# KiCad board RASBB.kicad_pcb (continued)
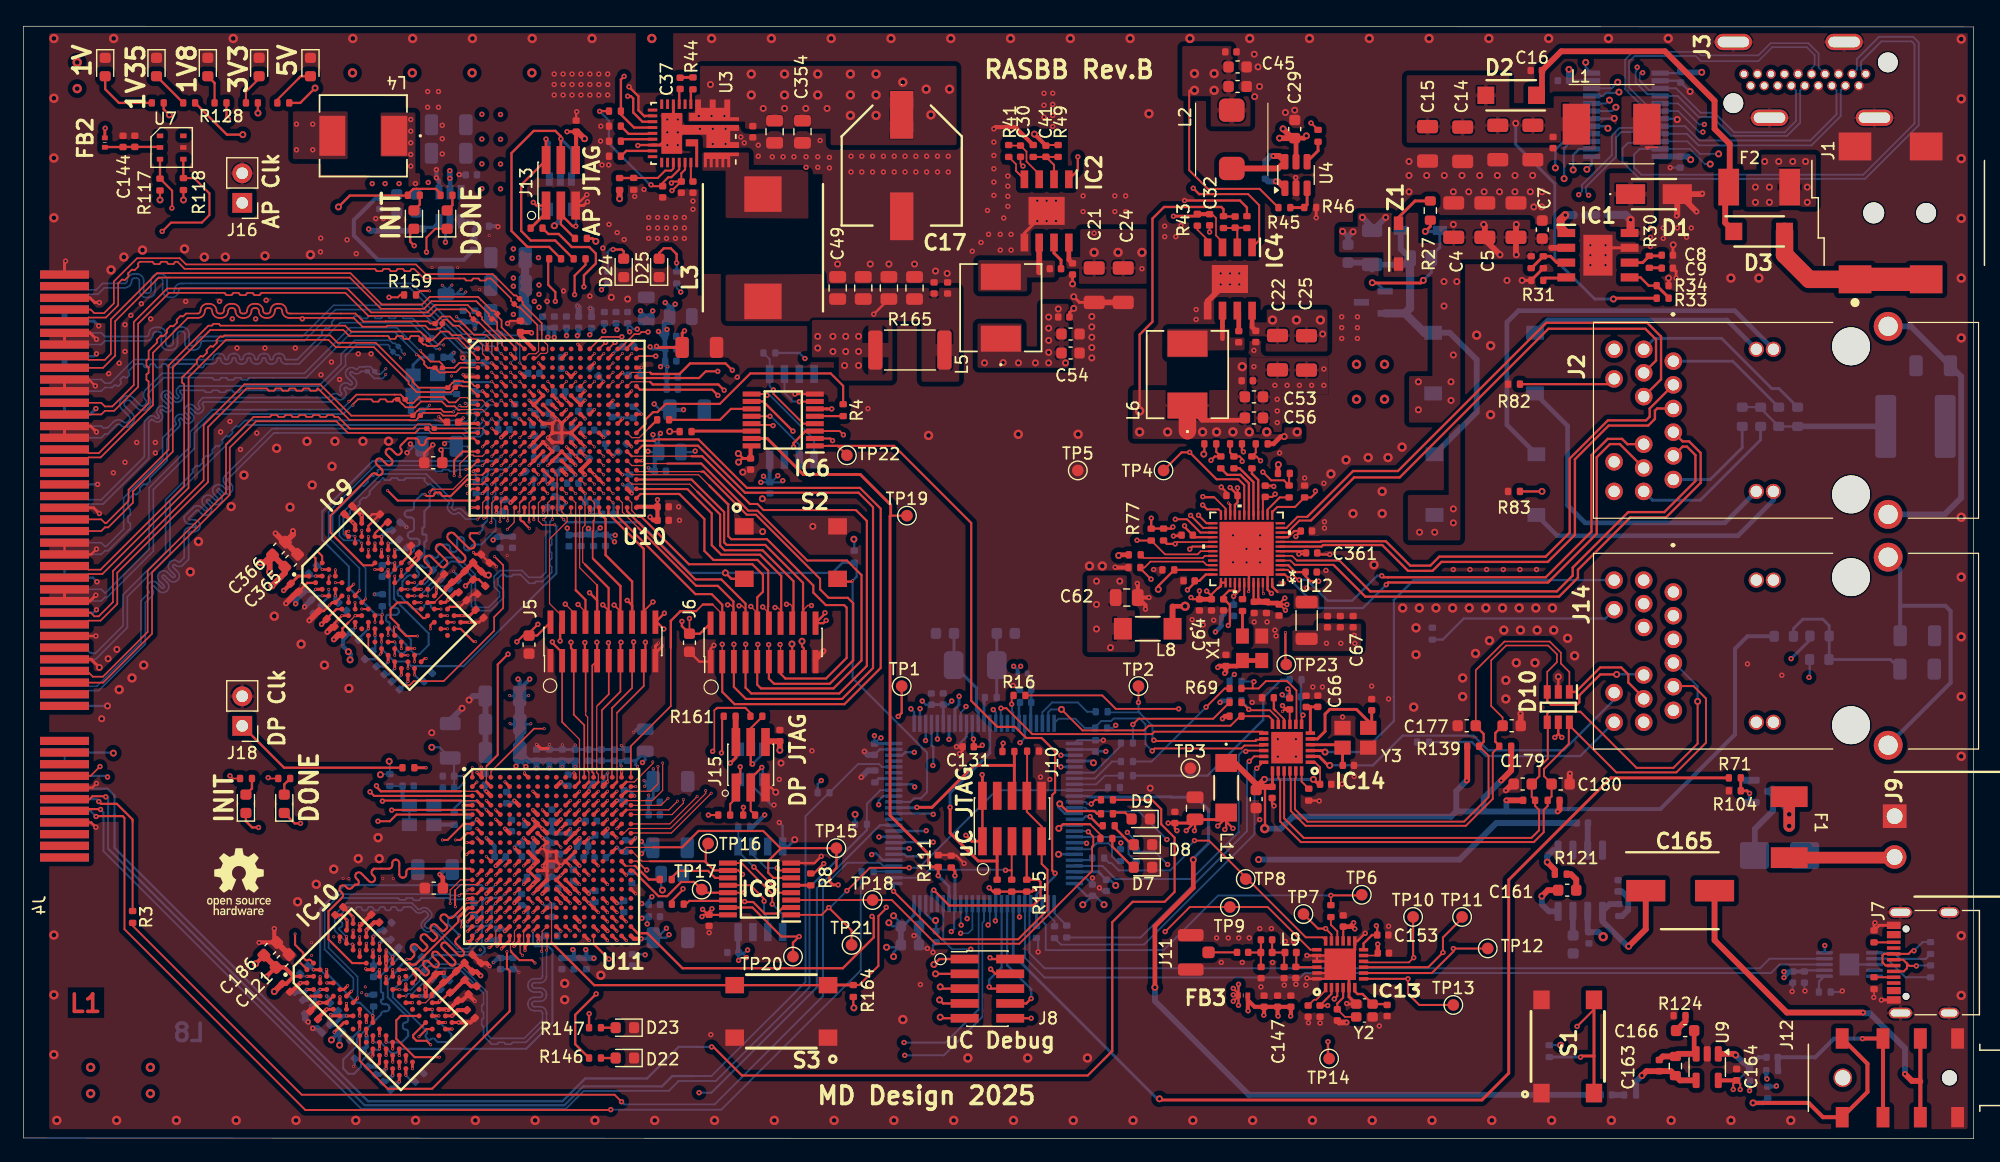
[diagram p0: board, top side]
## Placement (name value [footprint] x y rotation side) (continued)
D17  A-SP192DGHC-C01-4T  [LED_0603_1608Metric]  7.02 91.92 270 top
D18  A-SP192DGHC-C01-4T  [LED_0603_1608Metric]  11.42 91.92 270 top
D19  A-SP192DGHC-C01-4T  [LED_0603_1608Metric]  15.82 91.92 270 top
D20  A-SP192DGHC-C01-4T  [LED_0603_1608Metric]  20.22 91.92 270 top
D21  A-SP192DGHC-C01-4T  [LED_0603_1608Metric]  24.62 91.92 270 top
D22  A-SP192DGHC-C01-4T  [LED_0603_1608Metric]  51.58 6.92 180 top
D23  A-SP192GS1D-C01-4T  [LED_0603_1608Metric]  51.58 9.52 180 top
D24  A-SP192GS1D-C01-4T  [LED_0603_1608Metric]  51.48 74.69 90 top
D25  A-SP192DGHC-C01-4T  [LED_0603_1608Metric]  54.52 74.69 90 top
F1  Polyfuse 1.5A  [BSMD1812]  151.42 26.72 270 top
F2  Polyfuse 2A  [BSMD1812]  148.84 81.62 0 top
FB1  BLM15BD601SH1D  [NFZ15SG152SN10B]  85.68 39.91 0 bottom
FB2  BLM15BD601SH1D  [NFZ15SG152SN10B]  6.99 85.44 270 top
FB3  BLM15BD601SH1D  [NFZ15SG152SN10B]  104.6 12.29 0 top
IC1  RT6365GSP  [SOIC127P600X175-9N]  135.02 75.78 0 top
IC2  TPS56528DDAR  [SOIC127P600X170-9N]  87.75 79.58 270 top
IC3  TPS563201DDCR  [SOT95P280X110-6N]  36.59 79.93 270 bottom
IC4  TPS56528DDAR  [SOIC127P600X170-9N]  103.46 73.74 270 top
IC5  S25FL128LAGMFI010  [SOIC127P800X216-8N]  65.9 61.92 270 bottom
IC6  TS3A5018DBQR  [SOP64P600X175-16N]  65.16 61.65 180 top
IC7  S25FL128LAGMFI010  [SOIC127P800X216-8N]  63.2 21.39 270 bottom
IC8  TS3A5018DBQR  [SOP64P600X175-16N]  63.13 21.42 180 top
IC9  MT41K256M16TW-107_P  [BGA96C80P9X16_800X1400X120]  31 46.28 45 top
IC10  MT41K256M16TW-107_P  [BGA96C80P9X16_800X1400X120]  30.26 11.95 45 top
IC11  TPD12S016PWR  [SOP65P640X120-24N]  137.42 87.82 0 bottom
IC12  STM32H743VGT6  [QFP50P1600X1600X160-100N]  82.38 27.89 270 bottom
IC13  SX1280IMLTRT  [QFN50P400X400X100-25N-D]  112.92 14.96 90 top
IC14  LAN8742AI-CZ-TR  [QFN50P400X400X100-25N-D]  108.36 33.54 180 top
J1  PJ-002AH-SMT-TR  [CUI_PJ-002AH-SMT-TR]  157.07 73.71 180 top
J2  HR911196AE  [JK00229NL]  141.48 66.69 90 top
J3  -  [HDMI-001A]  157.98 91.32 90 top
J4  X3157WS-98-9TV30  [SAMTEC_PCIE-098-02-X-D-EMS3]  0.03 49.12 90 bottom
J5  Conn_02x10_Odd_Even  [PinHeader_2x10_P1.00mm_Vertical_SMD]  49.7 42.65 90 top
J6  Conn_02x10_Odd_Even  [PinHeader_2x10_P1.00mm_Vertical_SMD]  63.43 42.57 90 top
J7  USB_C_Receptacle  [USB_C_Receptacle_Palconn_UTC16-G]  162.89 15.1 90 top
J8  ZX-PZ1.27-2-5PWZ  [PinHeader_2x05_P1.27mm_Vertical_SMD]  82.67 12.87 0 top
J9  KF2EDGR-3.5-2P  [SHDRRA2W80P0X350_1X2_1050X920X750P]  160.46 27.66 270 top
J10  ZX-PZ1.27-2-5PWZ  [PinHeader_2x05_P1.27mm_Vertical_SMD]  84.78 27.46 90 top
J11  Conn_Coaxial  [U.FL_Hirose_U.FL-R-SMT-1_Vertical]  100.58 15.98 180 top
J12  AudioJack4  [FC68128]  153.06 8.09 270 top
J13  Conn_01x06_Socket  [PinHeader_2x03_P1.27mm_Vertical_SMD]  46.09 81.99 90 top
J14  HR911196AE  [JK00229NL]  141.48 46.89 90 top
J15  Conn_01x06_Socket  [PinHeader_2x03_P1.27mm_Vertical_SMD]  62.37 32.07 90 top
J16  Conn_01x02_Pin  [PinHeader_1x02_P2.54mm_Vertical]  18.77 80.27 180 top  (not fitted)
J18  Conn_01x02_Pin  [PinHeader_1x02_P2.54mm_Vertical]  18.77 35.41 180 top  (not fitted)
L1  10uH  [0630CDMCDDS-100MC]  136.19 87.02 180 top
L2  15uH  [SMDRS6028-150N]  103.62 85.72 90 top
L3  360nH  [INDPM109103X400N]  63.42 76.42 270 top
L4  2.2uH  [IND_IHLP-2525CZ_VIS]  29.15 86.02 180 top
L5  2.2uH  [IND_IHLP-2525CZ_VIS]  83.82 71.27 90 top
L6  2.2uH  [IND_IHLP-2525CZ_VIS]  99.82 65.54 90 top
L7  2.2uH  [L_1206_3216Metric]  110.04 44.45 90 top
L8  BLM41PG102SN1L  [IND_BLM41_1806_MUR-M]  96.41 43.74 180 top
L9  3nH  [L_0402_1005Metric]  108.67 15.97 180 top
L10  2.5nH  [L_0402_1005Metric]  106.6 15.97 180 top
L11  BLM41PG102SN1L  [IND_BLM41_1806_MUR-M]  103.14 30.1 270 top
Q1  DMN6075S  [SOT-23]  149.09 29.8 0 bottom
R1  49.9  [R_0402_1005Metric]  56.79 60.65 0 top
R2  49.9  [R_0402_1005Metric]  54.86 61.66 0 top
R3  49.9  [R_0402_1005Metric]  9.37 19.02 270 top
R4  49.9  [R_0402_1005Metric]  70.3 62.49 270 top
R5  4K7  [R_0402_1005Metric]  33.48 80.92 0 top
R6  49.9  [R_0402_1005Metric]  56.12 20.12 180 top
R7  49.9  [R_0402_1005Metric]  55.09 22.23 180 top
R8  49.9  [R_0402_1005Metric]  67.52 22.24 90 top
R9  4.7K  [R_0402_1005Metric]  68.62 29.67 180 bottom
R10  4.7K  [R_0402_1005Metric]  71.82 26.97 180 bottom
R11  49.9  [R_0402_1005Metric]  72.39 22.91 0 bottom
R12  49.9  [R_0402_1005Metric]  92.92 29.07 180 top
R13  49.9  [R_0402_1005Metric]  95.42 24.27 270 bottom
R14  49.9  [R_0402_1005Metric]  94.07 24.32 270 bottom
R15  49.9  [R_0402_1005Metric]  92.17 24.07 0 bottom
R16  49.9  [R_0402_1005Metric]  85.42 38.02 0 top
R17  22  [R_0402_1005Metric]  88.42 17.71 90 bottom
R18  22  [R_0402_1005Metric]  92.46 36.62 180 bottom
R19  22  [R_0402_1005Metric]  89.47 17.77 90 bottom
R20  22  [R_0402_1005Metric]  94.63 33.94 180 bottom
R21  100  [R_0402_1005Metric]  137.78 3.75 0 bottom
R22  49.9  [R_0402_1005Metric]  112.12 19.52 270 top
R23  22  [R_0402_1005Metric]  94.63 32.35 180 bottom
R24  22  [R_0402_1005Metric]  94.63 31.14 180 bottom
R25  24.9K  [R_1206_3216Metric]  115.66 76.44 90 bottom
R26  249K  [R_0805_2012Metric]  119.82 75.51 0 bottom
R27  51K  [R_0603_1608Metric]  120.65 79.61 90 top
R28  590K  [R_0402_1005Metric]  129.29 75.18 270 top
R29  18K  [R_0402_1005Metric]  130.34 75.18 90 top
R30  18K  [R_0402_1005Metric]  139.43 75.21 90 top
R31  120K  [R_0402_1005Metric]  129.82 73.62 0 top
R32  3.3  [R_0402_1005Metric]  135.41 79.24 180 bottom
R33  180K  [R_0402_1005Metric]  140.57 72.09 0 top
R34  12K  [R_0402_1005Metric]  140.57 73.17 0 top
R35  100K  [R_0402_1005Metric]  50.73 88.14 0 top
R36  100K  [R_0402_1005Metric]  51.13 81.89 270 top
R37  100K  [R_0402_1005Metric]  52.34 81.9 90 top
R38  5.49K  [R_0402_1005Metric]  50.73 84.27 0 top
R39  2.32K  [R_0402_1005Metric]  50.73 85.56 0 top
R40  3.48K  [R_0402_1005Metric]  50.73 86.85 0 top
R41  100K  [R_0402_1005Metric]  84.5 84.72 270 top
R42  100K  [R_0402_1005Metric]  111.02 86.02 270 top
R43  100K  [R_0402_1005Metric]  100.67 78.82 270 top
R44  3.3  [R_0402_1005Metric]  57.42 90.52 90 top
R45  11K  [R_0402_1005Metric]  108.13 79.86 180 top
R46  2.1K  [R_0402_1005Metric]  110.35 79.87 180 top
R47  7.68k  [R_0402_1005Metric]  38.62 76.74 90 bottom
R48  10K  [R_0402_1005Metric]  39.4 78.27 0 bottom
R49  100K  [R_0402_1005Metric]  88.73 84.72 270 top
R50  49.9K  [R_0402_1005Metric]  86.59 84.72 270 top
R51  226K  [R_0402_1005Metric]  102.91 78.62 90 top
R52  49.9K  [R_0402_1005Metric]  104.92 78.62 270 top
R53  4K7  [R_0402_1005Metric]  63.97 67.4 180 bottom
R54  4K7  [R_0402_1005Metric]  36.28 80.92 0 top
R55  4K7  [R_0402_1005Metric]  61.82 26.72 180 bottom
R56  4K7  [R_0402_1005Metric]  22.37 30.89 0 top
R57  4.7K  [R_0402_1005Metric]  108.09 57.06 180 top
R58  4.7K  [R_0402_1005Metric]  106.19 59.6 0 top
R59  4.7K  [R_0402_1005Metric]  95.3 50.08 0 top
R60  4.7K  [R_0402_1005Metric]  109.87 55.51 270 top
R61  4.7K  [R_0402_1005Metric]  103.98 59.6 0 top
R62  4.7K  [R_0402_1005Metric]  101.78 59.6 180 top
R63  100  [R_0402_1005Metric]  108.54 55.51 270 top
R64  100  [R_0402_1005Metric]  105.35 58.01 270 top
R65  100  [R_0402_1005Metric]  103.81 58.01 270 top
R66  100  [R_0402_1005Metric]  102.68 58.01 270 top
R67  10K  [R_0402_1005Metric]  149.58 3.96 90 bottom
R68  100  [R_0402_1005Metric]  109.09 39.37 0 bottom
R69  100  [R_0402_1005Metric]  103.94 38.62 0 top
R70  100  [R_0402_1005Metric]  103.94 37.42 180 top
R71  100  [R_0402_1005Metric]  146.75 30.95 0 top
R72  49.9  [R_0402_1005Metric]  31.43 30.76 90 bottom
R73  49.9  [R_0402_1005Metric]  104.54 45.77 270 top
R74  4.7K  [R_0402_1005Metric]  95.27 48.99 0 top
R75  1K  [R_0402_1005Metric]  92.42 35.22 180 bottom
R76  4.7K  [R_0402_1005Metric]  98.18 48.79 0 top
R77  1.5K  [R_0402_1005Metric]  96.72 51.81 270 top
R78  75  [R_0603_1608Metric]  148.97 61.92 270 bottom
R79  75  [R_0603_1608Metric]  147.39 61.92 270 bottom
R80  75  [R_0603_1608Metric]  150.52 61.92 90 bottom
R81  75  [R_0603_1608Metric]  152.14 61.92 90 bottom
R82  270  [R_0402_1005Metric]  127.82 64.72 180 top
R83  270  [R_0402_1005Metric]  127.82 55.52 180 top
R84  240  [R_0402_1005Metric]  36.88 47.55 45 bottom
R85  4K7  [R_0402_1005Metric]  34.69 39.58 45 bottom
R86  4K7  [R_0402_1005Metric]  30.78 46.18 90 bottom
R87  100  [R_0402_1005Metric]  35.48 48.39 315 bottom
R88  1K  [R_0402_1005Metric]  38.22 48.32 135 top
R89  1K  [R_0402_1005Metric]  39.62 49.02 45 top
R90  240  [R_0402_1005Metric]  36.14 13.22 45 bottom
R91  4K7  [R_0402_1005Metric]  33.95 5.25 45 bottom
R92  4K7  [R_0402_1005Metric]  30.04 11.85 90 bottom
R93  100  [R_0402_1005Metric]  34.74 14.06 315 bottom
R94  1K  [R_0402_1005Metric]  37.48 13.99 135 top
R95  1K  [R_0402_1005Metric]  38.88 14.69 45 top
R96  10K  [R_0402_1005Metric]  130.85 7.51 270 bottom
R97  5.1K  [R_0402_1005Metric]  158.7 13.34 270 top
R98  5.1K  [R_0402_1005Metric]  158.7 17.35 90 top
R99  22  [R_0402_1005Metric]  163.54 14.35 90 bottom
R100  22  [R_0402_1005Metric]  163.54 16.35 90 bottom
R101  4.7K  [R_0402_1005Metric]  154.47 12.58 180 bottom
R102  0  [R_0402_1005Metric]  82.96 37.85 0 bottom
R103  4K7  [R_0402_1005Metric]  19.09 30.89 0 top
R104  10K  [R_0402_1005Metric]  146.75 29.84 180 top
R105  10K  [R_0402_1005Metric]  73.02 31.07 90 bottom
R106  10K  [R_0402_1005Metric]  93.52 30.12 180 bottom
R107  4.7K  [R_0402_1005Metric]  97.77 51.82 270 top
R108  1K  [R_0402_1005Metric]  92.87 25.74 0 top
R109  1K  [R_0402_1005Metric]  93.07 26.84 0 top
R110  1K  [R_0402_1005Metric]  92.92 27.87 0 top
R111  10K  [R_0402_1005Metric]  78.45 23.82 270 top
R112  10K  [R_0402_1005Metric]  79.57 23.77 270 top
R113  10K  [R_0402_1005Metric]  86.87 17.73 270 bottom
R114  4.7K  [R_0402_1005Metric]  84.75 21.7 270 top
R115  4.7K  [R_0402_1005Metric]  86.04 21.7 270 top
R116  4.7K  [R_0402_1005Metric]  83.5 21.7 270 top
R117  4.7K  [R_0402_1005Metric]  11.72 81.84 270 top
R118  4.7K  [R_0402_1005Metric]  13.73 81.88 270 top
R119  4.7K  [R_0402_1005Metric]  84.47 33.21 180 top
R120  4.7K  [R_0402_1005Metric]  86.58 33.24 180 top
R121  1.2K  [R_0402_1005Metric]  131.84 22.68 0 top
R122  10  [R_0402_1005Metric]  136.81 19.61 90 bottom
R123  51K  [R_0603_1608Metric]  141.66 6.23 270 top
R124  10K  [R_0402_1005Metric]  142.01 10.56 180 top
R125  100K  [R_0402_1005Metric]  148.02 5.49 270 bottom
R126  100K  [R_0402_1005Metric]  146.91 5.49 270 bottom
R127  5.6K  [R_0402_1005Metric]  149.96 5.84 0 bottom
R128  715  [R_0402_1005Metric]  16.91 88.84 180 top
R129  715  [R_0402_1005Metric]  14.22 88.84 180 top
R130  715  [R_0402_1005Metric]  11.53 88.84 180 top
R131  1K  [R_0402_1005Metric]  19.6 88.84 180 top
R132  10K  [R_0402_1005Metric]  109.04 37.89 180 bottom
R133  10K  [R_0402_1005Metric]  103.94 39.22 180 bottom
R134  12.1K  [R_0402_1005Metric]  110.22 29.51 90 top
R135  10K  [R_0402_1005Metric]  106.72 37.82 180 top
R136  1.5K  [R_0402_1005Metric]  103.94 36.24 180 top
R137  10K  [R_0402_1005Metric]  103.94 37.56 180 bottom
R138  1K  [R_0402_1005Metric]  22.29 88.84 180 top
R139  49.9  [R_0402_1005Metric]  124.32 33.66 180 top
R140  49.9  [R_0402_1005Metric]  127.07 33.66 0 top
R141  49.9  [R_0402_1005Metric]  129.12 29.02 180 top
R142  49.9  [R_0402_1005Metric]  131.22 29.02 0 top
R143  0  [R_0603_1608Metric]  150.96 43.09 0 bottom
R144  75  [R_0603_1608Metric]  154.02 43.12 180 bottom
R145  75  [R_0603_1608Metric]  154 41.1 180 bottom
R146  1K  [R_0402_1005Metric]  49.02 6.92 0 top
R147  1K  [R_0402_1005Metric]  49.02 9.52 0 top
R148  1K  [R_0402_1005Metric]  50.12 73.87 90 bottom
R149  1K  [R_0402_1005Metric]  56.02 73.87 90 bottom
R150  270  [R_0402_1005Metric]  120.82 43.32 90 bottom
R151  270  [R_0402_1005Metric]  120.02 34.02 180 bottom
R152  100  [R_0402_1005Metric]  44.01 78.1 0 top
R153  100  [R_0402_1005Metric]  47.7 75.47 0 top
R154  100  [R_0402_1005Metric]  47.81 77.22 0 top
R155  100  [R_0402_1005Metric]  45.6 75.47 180 top
R156  10K  [R_0402_1005Metric]  71.25 49.92 270 bottom
R157  49.9  [R_0402_1005Metric]  35.51 67.03 0 bottom
R158  49.9  [R_0402_1005Metric]  37.15 64.38 90 bottom
R159  49.9  [R_0402_1005Metric]  33.16 72.37 0 top
R160  100  [R_0402_1005Metric]  60.1 27.76 180 top
R161  100  [R_0402_1005Metric]  60.57 36.23 180 top
R162  100  [R_0402_1005Metric]  62.24 27.76 180 top
R163  100  [R_0402_1005Metric]  62.86 36.23 180 top
R164  10K  [R_0402_1005Metric]  71.17 12.67 90 top
R165  0.005  [R_2512_6332Metric]  76.02 67.64 0 top
R166  49.9  [R_0402_1005Metric]  36.94 27.43 90 bottom
R167  49.9  [R_0402_1005Metric]  33.02 31.82 0 top
R168  100  [R_0201_0603Metric]  39.22 60.62 0 bottom
R169  100  [R_0201_0603Metric]  34.92 60.92 0 top
R170  100  [R_0201_0603Metric]  38.52 62.22 0 bottom
R171  100  [R_0201_0603Metric]  33.72 62.02 0 top
R172  100  [R_0201_0603Metric]  32.42 63.42 180 top
R173  100  [R_0201_0603Metric]  36.72 64.42 0 top
R174  100  [R_0201_0603Metric]  29.82 65.82 180 bottom
R175  100  [R_0201_0603Metric]  34.42 68.52 180 top
R176  100  [R_0201_0603Metric]  31.92 67.72 45 bottom
R177  100  [R_0201_0603Metric]  35.62 69.92 180 top
R178  100  [R_0201_0603Metric]  35.62 66.12 0 top
R179  100  [R_0201_0603Metric]  38.82 70.52 45 top
R180  100  [R_0201_0603Metric]  34.72 68.72 0 bottom
R181  100  [R_0201_0603Metric]  40.42 70.52 45 top
R182  100  [R_0201_0603Metric]  38.62 67.82 0 bottom
R183  100  [R_0201_0603Metric]  42.32 71.82 45 top
R184  100  [R_0201_0603Metric]  40.92 68.72 90 bottom
S1  B3FS-1002P  [B3FS-1000P]  132.43 7.91 270 top
S2  B3FS-1002P  [B3FS-1000P]  65.82 50.27 180 top
S3  B3FS-1002P  [B3FS-1000P]  65 10.92 0 top
TP1  TestPoint  [TestPoint_Pad_D1.0mm]  75.32 38.82 90 top  (not fitted)
TP2  TestPoint  [TestPoint_Pad_D1.0mm]  95.62 38.82 0 top  (not fitted)
TP3  TestPoint  [TestPoint_Pad_D1.0mm]  100.07 31.77 0 top  (not fitted)
TP4  TestPoint  [TestPoint_Pad_D1.0mm]  97.77 57.32 0 top  (not fitted)
TP5  TestPoint  [TestPoint_Pad_D1.0mm]  90.42 57.32 0 top  (not fitted)
TP6  TestPoint  [TestPoint_Pad_D1.0mm]  114.77 20.92 0 top  (not fitted)
TP7  TestPoint  [TestPoint_Pad_D1.0mm]  109.77 19.27 0 top  (not fitted)
TP8  TestPoint  [TestPoint_Pad_D1.0mm]  104.82 22.27 0 top  (not fitted)
TP9  TestPoint  [TestPoint_Pad_D1.0mm]  103.46 19.87 0 top  (not fitted)
TP10  TestPoint  [TestPoint_Pad_D1.0mm]  119.17 19.02 0 top  (not fitted)
TP11  TestPoint  [TestPoint_Pad_D1.0mm]  123.37 19.02 0 top  (not fitted)
TP12  TestPoint  [TestPoint_Pad_D1.0mm]  125.57 16.32 0 top  (not fitted)
TP13  TestPoint  [TestPoint_Pad_D1.0mm]  122.62 11.47 0 top  (not fitted)
TP14  TestPoint  [TestPoint_Pad_D1.0mm]  111.97 6.87 0 top  (not fitted)
TP15  TestPoint  [TestPoint_Pad_D1.0mm]  69.72 24.92 0 top  (not fitted)
TP16  TestPoint  [TestPoint_Pad_D1.0mm]  58.72 25.32 0 top  (not fitted)
TP17  TestPoint  [TestPoint_Pad_D1.0mm]  58.17 21.37 0 top  (not fitted)
TP18  TestPoint  [TestPoint_Pad_D1.0mm]  72.82 20.47 0 top  (not fitted)
TP19  TestPoint  [TestPoint_Pad_D1.0mm]  75.77 53.44 0 top  (not fitted)
TP20  TestPoint  [TestPoint_Pad_D1.0mm]  66 15.62 0 top  (not fitted)
TP21  TestPoint  [TestPoint_Pad_D1.0mm]  71.02 16.62 0 top  (not fitted)
TP22  TestPoint  [TestPoint_Pad_D1.0mm]  70.62 58.62 0 top  (not fitted)
TP23  125M  [TestPoint_Pad_D1.0mm]  108.29 40.67 0 top  (not fitted)
U1  SZMMSZ4702T1G  [SOD-123_ONS]  119.78 77.91 180 bottom
U2  SI2324DS-T1-GE3  [SOT_4DS-T1-GE3_VIS]  115.75 71.74 270 bottom
U3  SIC453ED-T1-GE3  [POWERPAK_MLP34-57_VIS]  57.46 86.23 270 top
U4  JW5026  [SOT-23-6]  109.13 82.66 90 top
U6  CH340E  [MSOP-10-1EP_3x3mm_P0.5mm_EP1.68x1.88mm]  156.59 14.94 180 bottom
U7  -  [AHT20]  12.72 85.02 0 top
U8  LM386  [SOP-8_3.9x4.9mm_P1.27mm]  133.5 22.12 270 bottom
U9  LM321  [SOT-23-5]  144.39 6.14 270 top
U10  XC7A100T-CSG324  [BGA324C80P18X18_1500X1500X150]  45.77 60.94 0 top
U11  XC7A100T-CSG324  [BGA324C80P18X18_1500X1500X150]  45.3 24.2 0 top
U12  RTL8211E-VB-CG  [QFN48_6X6X0P85_RTK]  104.89 50.59 180 top
X1  OT2EL4C4JI-111OLP-50M  [Oscillator_SMD_Abracon_ASE-4Pin_3.2x2.5mm]  105.37 42.06 90 top
X3  OT2EL4C4JI-111OLP-50M  [Oscillator_SMD_Abracon_ASE-4Pin_3.2x2.5mm]  34.47 64.69 0 bottom
X4  OT2EL4C4JI-111OLP-50M  [Oscillator_SMD_Abracon_ASE-4Pin_3.2x2.5mm]  34.15 27.76 0 bottom
Y1  -  [X503220MSB2GI]  81.62 40.62 0 bottom
Y2  -  [XC21M4-52.000-F10NNHPL]  115 10.99 180 top
Y3  25MHz  [Crystal_SMD_3225-4Pin_3.2x2.5mm]  114.22 34.39 180 top
Z1  MMSZ5255BT1G  [SOD3716X135N]  117.92 76.77 90 top

## Library data of the parts
C1 C2 C19 C167 C171 = -: Datasheet: https://www.lcsc.com/datasheet/lcsc_datasheet_2304140030_Samsung-Electro-Mechanics-CL05A105KP5NNNC_C14445.pdf; Description: 10V 1uF X5R ±10% 0402 Multilayer Ceramic Capacitors MLCC - SMD/SMT ROHS; Mfr. Part #: 0402X105M160CT; LCSC Part #: C3889771; ki_fp_filters: C_*
C3 C7 = -: Description: ±10% X7R 10nF 100V 0603; LCSC Part #: C6119837; ki_fp_filters: C_*
C4 = -: Datasheet: https://www.lcsc.com/datasheet/lcsc_datasheet_2312271231_TDK-C3216X6S2A106K160AC_C6872041.pdf; Description: 100V 10uF X6S ±10% 1206 Multilayer Ceramic Capacitors MLCC - SMD/SMT ROHS; Mfr. Part #  : 1206B102K202CT; LCSC Part #  : C303946; LCSC Part #: C6872041; Mfr. Part #: C3216X6S2A106K160AC; Mfr. Part # : C3216X6S2A106K160AC; ki_fp_filters: C_*
C5 C6 = -: Datasheet: https://www.lcsc.com/datasheet/lcsc_datasheet_2208291730_Murata-Electronics-GRM31CZ72A475KE11L_C2997285.pdf; Description: 100V 4.7uF X7R ±10% 1206 Multilayer Ceramic Capacitors MLCC - SMD/SMT ROHS; Mfr. Part #  : 1206B102K202CT; LCSC Part #  : C303946; LCSC Part #: C2997285; Mfr. Part #: GRM31CZ72A475KE11L; ki_fp_filters: C_*
C8 = -: Datasheet: https://www.lcsc.com/datasheet/lcsc_datasheet_2202040800_YAGEO-CC0402JRNPO7BN220_C2175872.pdf; Description: 16V 22pF NP0 ±5% 0402 Multilayer Ceramic Capacitors MLCC - SMD/SMT ROHS; Mfr. Part #: CC0402JRNPO7BN220; LCSC Part #: C2175872; ki_fp_filters: C_*
C9 = -: Datasheet: https://www.lcsc.com/datasheet/lcsc_datasheet_2409272231_YAGEO-CC0402KRX7R6BB472_C1852867.pdf; Description: 10V 4.7nF X7R ±10% 0402 Multilayer Ceramic Capacitors MLCC - SMD/SMT ROHS; Mfr. Part #: CC0402KRX7R6BB472; LCSC Part #: C1852867; ki_fp_filters: C_*
C10 C202 C204 = -: Datasheet: https://www.lcsc.com/datasheet/lcsc_datasheet_2309201533_Walsin-Tech-Corp-0402B103K100CT_C3840241.pdf; Description: 50V 100nF ±10% 0402 Multilayer Ceramic Capacitors MLCC; Mfr. Part #: 0402B104K500CT; LCSC Part #: C152814; ki_fp_filters: C_*
C11 C38-C40 C50 C51 = -: Datasheet: https://www.lcsc.com/datasheet/lcsc_datasheet_2309201533_Walsin-Tech-Corp-0402B103K100CT_C3840241.pdf; Description: 10V 10nF X7R ±10% 0402 Multilayer Ceramic Capacitors MLCC - SMD/SMT ROHS; Mfr. Part #: 0402B103K100CT; LCSC Part #: C3840241; ki_fp_filters: C_*
C12-C15 C21-C26 = -: Datasheet: https://www.lcsc.com/datasheet/lcsc_datasheet_2304140030_TDK-CGA5L1X7R1H106KT0Y0N_C531431.pdf; Description: 50V 10uF X7R ±10% 1206 Multilayer Ceramic Capacitors MLCC - SMD/SMT ROHS; Mfr. Part #  : 1206B102K202CT; LCSC Part #  : C303946; LCSC Part #: C531431; Mfr. Part #: CGA5L1X7R1H106KT0Y0N; ki_fp_filters: C_*
C16 C18 C27 C28 C31 C34-C36 C122 C124 C356 = -: Datasheet: https://www.lcsc.com/datasheet/lcsc_datasheet_2304140030_Walsin-Tech-Corp-0402B104K500CT_C152814.pdf; Description: 50V 100nF X7R ±10% 0402 Multilayer Ceramic Capacitors MLCC - SMD/SMT ROHS; Mfr. Part #: 0402B104K500CT; LCSC Part #: C152814; ki_fp_filters: C_*
C17 = -: Datasheet: http://industrial.panasonic.com/cdbs/www-data/pdf/RDE0000/ABA0000C1184.pdf; Description: Aluminum Electrolytic Capacitors - SMD 330UF 35V ELECT FP SMD; Height: 12; LCSC Part #: C178582; Manufacturer_Name: Panasonic; Mfr. Part #: EEE-FP1V331AP
C20 C69 C72 C350 = -: Datasheet: https://www.lcsc.com/datasheet/lcsc_datasheet_1811081617_Murata-Electronics-GRM155R61A475KEAAD_C77004.pdf; Description: 10V 4.7uF X5R ±10% 0402 Multilayer Ceramic Capacitors MLCC - SMD/SMT ROHS; Mfr. Part #: GRM155R61A475KEAAD; LCSC Part #: C77004; ki_fp_filters: C_*
C29 = -: Datasheet: https://www.lcsc.com/datasheet/lcsc_datasheet_1811081617_Murata-Electronics-GRM155R61A475KEAAD_C77004.pdf; Description: 10V 4.7uF X5R ±10% 0402 Multilayer Ceramic Capacitors MLCC - SMD/SMT ROHS; Mfr. Part #: GRM155R61A475KEAAD; LCSC Part #: C913474; ki_fp_filters: C_*
C30 C32 = -: Datasheet: https://www.lcsc.com/datasheet/lcsc_datasheet_2304140030_KEMET-C0402C100J4GAC7867_C2182752.pdf; Description: 16V 470nF X7R ±10% 0402 Multilayer Ceramic Capacitors MLCC - SMD/SMT ROHS; Mfr. Part #: GRT155R71A474KE01D; LCSC Part #: C471404; ki_fp_filters: C_*
C33 C37 C55 C58-C61 C63-C65 C67 C68 C70 C71 C76 C77 C84 C95 C99 C100 C107 C118 C123 C129 C131-C138 C144 C148 C152 C154 C164 C169 C172-C174 C258 C342 C352 C353 C357-C364 = -: Datasheet: https://www.lcsc.com/datasheet/lcsc_datasheet_2309201533_Walsin-Tech-Corp-0402B103K100CT_C3840241.pdf; Description: 10V 100nF X7R ±10% 0402 Multilayer Ceramic Capacitors MLCC - SMD/SMT ROHS; Mfr. Part #: 0402B104K500CT; LCSC Part #: C152814; ki_fp_filters: C_*
C41 = -: Datasheet: https://www.lcsc.com/datasheet/lcsc_datasheet_2304140030_KEMET-C0402C100J4GAC7867_C2182752.pdf; Description: 16V 10pF C0G ±5% 0402 Multilayer Ceramic Capacitors MLCC - SMD/SMT ROHS; Mfr. Part #: C0402C100J4GAC7867; LCSC Part #: C2182752; ki_fp_filters: C_*
C42 C46 C49 C52 C62 C170 C184 C187 C188 C192 C221 C305 = -: Datasheet: https://www.lcsc.com/datasheet/lcsc_datasheet_1912111437_Murata-Electronics-GRM21BR61A476ME15L_C124129.pdf; Description: 10V 47uF X5R ±20% 0805 Multilayer Ceramic Capacitors MLCC - SMD/SMT ROHS; Mfr. Part # : GRM21BR61A476ME15L; LCSC Part #: C124129; Mfr. Part #: GRM21BR61A476ME15L; ki_fp_filters: C_*
C43 = -: Datasheet: https://www.lcsc.com/datasheet/lcsc_datasheet_2308111505_Murata-Electronics-GRM1555C1E5R1CA01D_C3855079.pdf; Description: 25V 5.1pF C0G 0402 Multilayer Ceramic Capacitors MLCC - SMD/SMT ROHS; Mfr. Part #: GRM1555C1E5R1CA01D; LCSC Part #: C3855079; ki_fp_filters: C_*
C44 C45 C47 C48 C53 C54 C56 C57 C125 C126 = -: Datasheet: https://www.lcsc.com/datasheet/lcsc_datasheet_2410010303_Kyocera-AVX-0603YD226MAT2A_C6776252.pdf; Description: 16V 22uF X5R ±20% 0603 Multilayer Ceramic Capacitors MLCC - SMD/SMT ROHS; Mfr. Part #: 0603YD226MAT2A; LCSC Part #: C6776252; ki_fp_filters: C_*
C66 = -: Description: 16V 470pF NP0 ±5% 0402 Multilayer Ceramic Capacitors MLCC - SMD/SMT ROHS; Mfr. Part #: C526993; LCSC Part #: C526993; ki_fp_filters: C_*
C73 = -: Description: 2kV 100nF X7R ±10% 2220 Multilayer Ceramic Capacitors MLCC - SMD/SMT ROHS; Mfr. Part #  : FV55X104K202EGG; LCSC Part #: C5290327; Mfr. Part #: FV55X104K202EGG; ki_fp_filters: C_*
C74 C183 = -: Description: CAP, CER, 1nF, 2kV, 10%, X7R, 1210; Mfr. Part #  : 1206B102K202CT; LCSC Part #  : C303946; LCSC Part #: C303946; Mfr. Part #: 1206B102K202CT; ki_fp_filters: C_*
C75 C89 C92 C112 C189-C191 C193 C194 C196 C197 C200 C201 C203 C205 C207 C209 C222 C224 C229-C232 C238 C244 C245 C251-C254 C273-C275 C277 C278 C280 C281 C284 C285 C287 C289 C291 C293 C306 C308 C313-C316 C326-C329 C335-C338 C346-C349 = -: Datasheet: https://www.lcsc.com/datasheet/lcsc_datasheet_2206281830_Murata-Electronics-GRT155R71A474KE01D_C711087.pdf; Description: Unpolarized capacitor, small symbol; Mfr. Part #: GRT155R71A474KE01D; LCSC Part #: C471404; ki_fp_filters: C_*
C78-C83 C85-C88 C90 C91 C93 C94 C96 C97 C101-C106 C108-C111 C113 C114 C116 C117 C119 C120 C317 C339 = -: Datasheet: https://www.lcsc.com/datasheet/lcsc_datasheet_2304140030_KEMET-C0402C473J8RAC7867_C2178375.pdf; Description: 10V 47nF X7R ±5% 0402 Multilayer Ceramic Capacitors MLCC - SMD/SMT ROHS; Mfr. Part #: C0402C473J8RAC7867; LCSC Part #: C2178375; ki_fp_filters: C_*
C98 C115 C121 C127 C128 C175 C186 C365 C366 = -: Datasheet: https://www.lcsc.com/datasheet/lcsc_datasheet_2201131300_Murata-Electronics-GRM188Z71A475KE15D_C913474.pdf; Description: 10V 4.7uF X7R ±10% 0603 Multilayer Ceramic Capacitors MLCC - SMD/SMT ROHS; Mfr. Part #: GRM188Z71A475KE15D; LCSC Part #: C913474; ki_fp_filters: C_*
C130 = -: Datasheet: https://www.lcsc.com/datasheet/lcsc_datasheet_2309201534_Walsin-Tech-Corp-0402X105M160CT_C3889771.pdf; Description: 16V 1uF X5R ±20% 0402 Multilayer Ceramic Capacitors MLCC - SMD/SMT ROHS; Mfr. Part #: 0402X105M160CT; LCSC Part #: C3889771; ki_fp_filters: C_*
C139 C140 = -: Datasheet: https://www.lcsc.com/datasheet/lcsc_datasheet_2304140030_Walsin-Tech-Corp-0402N200J500CT_C123468.pdf; Description: 50V 20pF NP0 ±5% 0402 Multilayer Ceramic Capacitors MLCC - SMD/SMT ROHS; Mfr. Part # : 0402N200J500CT; LCSC Part #: C123468; Mfr. Part #: 0402N200J500CT; ki_fp_filters: C_*
C141 C143 = -: Datasheet: https://www.lcsc.com/datasheet/lcsc_datasheet_2309201534_Walsin-Tech-Corp-0402X225M160CT_C3905586.pdf; Description: 16V 2.2uF X5R ±20% 0402 Multilayer Ceramic Capacitors MLCC - SMD/SMT ROHS; Mfr. Part #: 0402X225M160CT; LCSC Part #: C3905586; ki_fp_filters: C_*
C142 C146 C147 = -: Datasheet: https://www.lcsc.com/datasheet/lcsc_datasheet_2204121445_Walsin-Tech-Corp-0402X106M100CT_C2992625.pdf; Description: 10V 10uF X5R ±20% 0402 Multilayer Ceramic Capacitors MLCC - SMD/SMT ROHS; Mfr. Part #: 0402X106M100CT; LCSC Part #: C2992625; ki_fp_filters: C_*
C145 C149 = -: Datasheet: https://www.lcsc.com/datasheet/lcsc_datasheet_2304140030_Walsin-Tech-Corp-0402N200J500CT_C123468.pdf; Description: 50V 20pF NP0 ±5% 0402 Multilayer Ceramic Capacitors MLCC - SMD/SMT ROHS; Mfr. Part #: 0402N200J500CT; LCSC Part #: C123468; Mfr. Part # : 0402N200J500CT; ki_fp_filters: C_*
C150 C151 = -: Datasheet: https://www.lcsc.com/datasheet/lcsc_datasheet_2409272300_YAGEO-CC0402KRX7R6BB103_C541371.pdf; Description: 10V 10nF X7R ±10% 0402 Multilayer Ceramic Capacitors MLCC - SMD/SMT ROHS; Mfr. Part #: 0402B103K100CT; LCSC Part #: C3840241; ki_fp_filters: C_*
C153 C182 C185 C225 C233-C236 C239 C241-C243 C255 C257 C262-C265 C269 = -: Datasheet: https://www.lcsc.com/datasheet/lcsc_datasheet_2206281830_Murata-Electronics-GRT155R71A474KE01D_C711087.pdf; Description: 10V 470nF X7R ±10% 0402 Multilayer Ceramic Capacitors MLCC - SMD/SMT ROHS; Mfr. Part #: GRT155R71A474KE01D; LCSC Part #: C471404; ki_fp_filters: C_*
C155 = -: Datasheet: https://www.lcsc.com/datasheet/lcsc_datasheet_2304140030_Walsin-Tech-Corp-RF15N0R8B500CT_C396870.pdf; Description: 50V 0.8pF NP0 0402 Multilayer Ceramic Capacitors MLCC - SMD/SMT ROHS; Mfr. Part #: RF15N0R8B500CT; LCSC Part #: C396870; ki_fp_filters: C_*
C156 C158 = -: Datasheet: https://www.lcsc.com/datasheet/lcsc_datasheet_2304140030_Walsin-Tech-Corp-0402N1R2C500CT_C301969.pdf; Description: 50V 1.2pF NP0 0402 Multilayer Ceramic Capacitors MLCC - SMD/SMT ROHS; Mfr. Part #: 0402N1R2C500CT; LCSC Part #: C301969; ki_fp_filters: C_*
C157 = -: Datasheet: https://www.lcsc.com/datasheet/lcsc_datasheet_2111171830_Walsin-Tech-Corp-RT15N0R5B500CT_C2918554.pdf; Description: 50V 0.5pF NP0 0402 Multilayer Ceramic Capacitors MLCC - SMD/SMT ROHS; Mfr. Part #: RT15N0R5B500CT; LCSC Part #: C2918554; ki_fp_filters: C_*
C159 C163 = -: Datasheet: https://www.lcsc.com/datasheet/lcsc_datasheet_2304140030_Walsin-Tech-Corp-0402N101G500CT_C387967.pdf; Description: 50V 100pF NP0 ±2% 0402 Multilayer Ceramic Capacitors MLCC - SMD/SMT ROHS; Mfr. Part #: 0402N101G500CT; LCSC Part #: C387967; ki_fp_filters: C_*
C160 C161 C166 = -: Datasheet: https://www.lcsc.com/datasheet/lcsc_datasheet_2207111830_Walsin-Tech-Corp-0603X106M250CT_C4555498.pdf; Description: 25V 10uF X5R ±20% 0603 Multilayer Ceramic Capacitors MLCC - SMD/SMT ROHS; Mfr. Part #: 0603X106M250CT; LCSC Part #: C4555498; ki_fp_filters: C_*
C162 = -: Datasheet: https://www.lcsc.com/datasheet/lcsc_datasheet_2304140030_Walsin-Tech-Corp-0402B473K250CT_C314287.pdf; Description: 25V 47nF X7R ±10% 0402 Multilayer Ceramic Capacitors MLCC - SMD/SMT ROHS; Mfr. Part #: C0402C473J8RAC7867; LCSC Part #: C2178375; ki_fp_filters: C_*
C165 = -: Datasheet: https://www.nichicon.co.jp/series_items/catalog_pdf/ja/pdf/xja043/uud.pdf; Description: 220uF 10V 280mA@100kHz 340mΩ@100kHz ±20% SMD,D6.3xL7.7mm Aluminum Electrolytic Capacitors - SMD ROHS; Height: 8; Manufacturer_Name: Nichicon; LCSC Part #: C445275
C168 C176 = -: Description: Unpolarized capacitor, small symbol; Mfr. Part #: 0402B104K500CT; LCSC Part #: C2178655; ki_fp_filters: C_*
C177-C180 = -: LCSC Part #: C123155; ki_fp_filters: C_*
C181 = -: Description: 2kV 1nF X7R ±10% 1206 Multilayer Ceramic Capacitors MLCC - SMD/SMT ROHS; Mfr. Part #  : 1206B102K202CT; LCSC Part #  : C303946; LCSC Part #: C303946; Mfr. Part #: 1206B102K202CT; ki_fp_filters: C_*
C195 C199 C218-C220 C226 C248 C282 C302-C304 C310 C332 = -: Datasheet: https://www.lcsc.com/datasheet/lcsc_datasheet_2201131300_Murata-Electronics-GRM188Z71A475KE15D_C913474.pdf; Description: 10V 100uF X5R ±20% 1206 Multilayer Ceramic Capacitors MLCC - SMD/SMT ROHS; Mfr. Part #  : 1206B102K202CT; LCSC Part #  : C303946; LCSC Part #: C883598; Mfr. Part #: GRM31CR61A107MEA8L; Mfr. Part # : GRM31CR61A107MEA8L; ki_fp_filters: C_*
C198 = -: Datasheet: https://www.lcsc.com/datasheet/lcsc_datasheet_2201131300_Murata-Electronics-GRM188Z71A475KE15D_C913474.pdf; Description: 10V 100uF X5R ±20% 1206 Multilayer Ceramic Capacitors MLCC - SMD/SMT ROHS; Mfr. Part #  : 1206B102K202CT; LCSC Part #  : C303946; LCSC Part #: C883598; Mfr. Part #: GRM31CR61A107MEA8L; Mfr. Part # : GRM31CR61A107MEA8L; LCSC Part # : C883598; ki_fp_filters: C_*
C206 C208 C210-C217 C223 C227 C246 C247 C249 C250 C266 C267 C290 C292 C294-C301 C307 C311 C330 C331 C333 C334 C351 = -: Datasheet: https://www.lcsc.com/datasheet/lcsc_datasheet_1811081617_Murata-Electronics-GRM155R61A475KEAAD_C77004.pdf; Description: 10V 4.7uF X5R ±10% 0402 Multilayer Ceramic Capacitors MLCC - SMD/SMT ROHS; Mfr. Part #: GRM155R61A475KEAAD; LCSC Part #: C77004; LCSC Part # : C77004; ki_fp_filters: C_*
C228 C312 = -: Datasheet: https://www.lcsc.com/datasheet/lcsc_datasheet_2201131300_Murata-Electronics-GRM188Z71A475KE15D_C913474.pdf; Description: 10V 4.7uF X5R ±10% 0402 Multilayer Ceramic Capacitors MLCC - SMD/SMT ROHS; Mfr. Part #: GRM155R61A475KEAAD; LCSC Part #: C77004; LCSC Part # : C77004; ki_fp_filters: C_*
C261 = -: Datasheet: https://www.lcsc.com/datasheet/lcsc_datasheet_2206281830_Murata-Electronics-GRT155R71A474KE01D_C711087.pdf; Description: 10V 47nF X7R ±5% 0402 Multilayer Ceramic Capacitors MLCC - SMD/SMT ROHS; Mfr. Part #: GRT155R71A474KE01D; LCSC Part #: C471404; ki_fp_filters: C_*
